# Altium PCB DIO-SMA.PCBDOC (part 2 of 2) (continued)
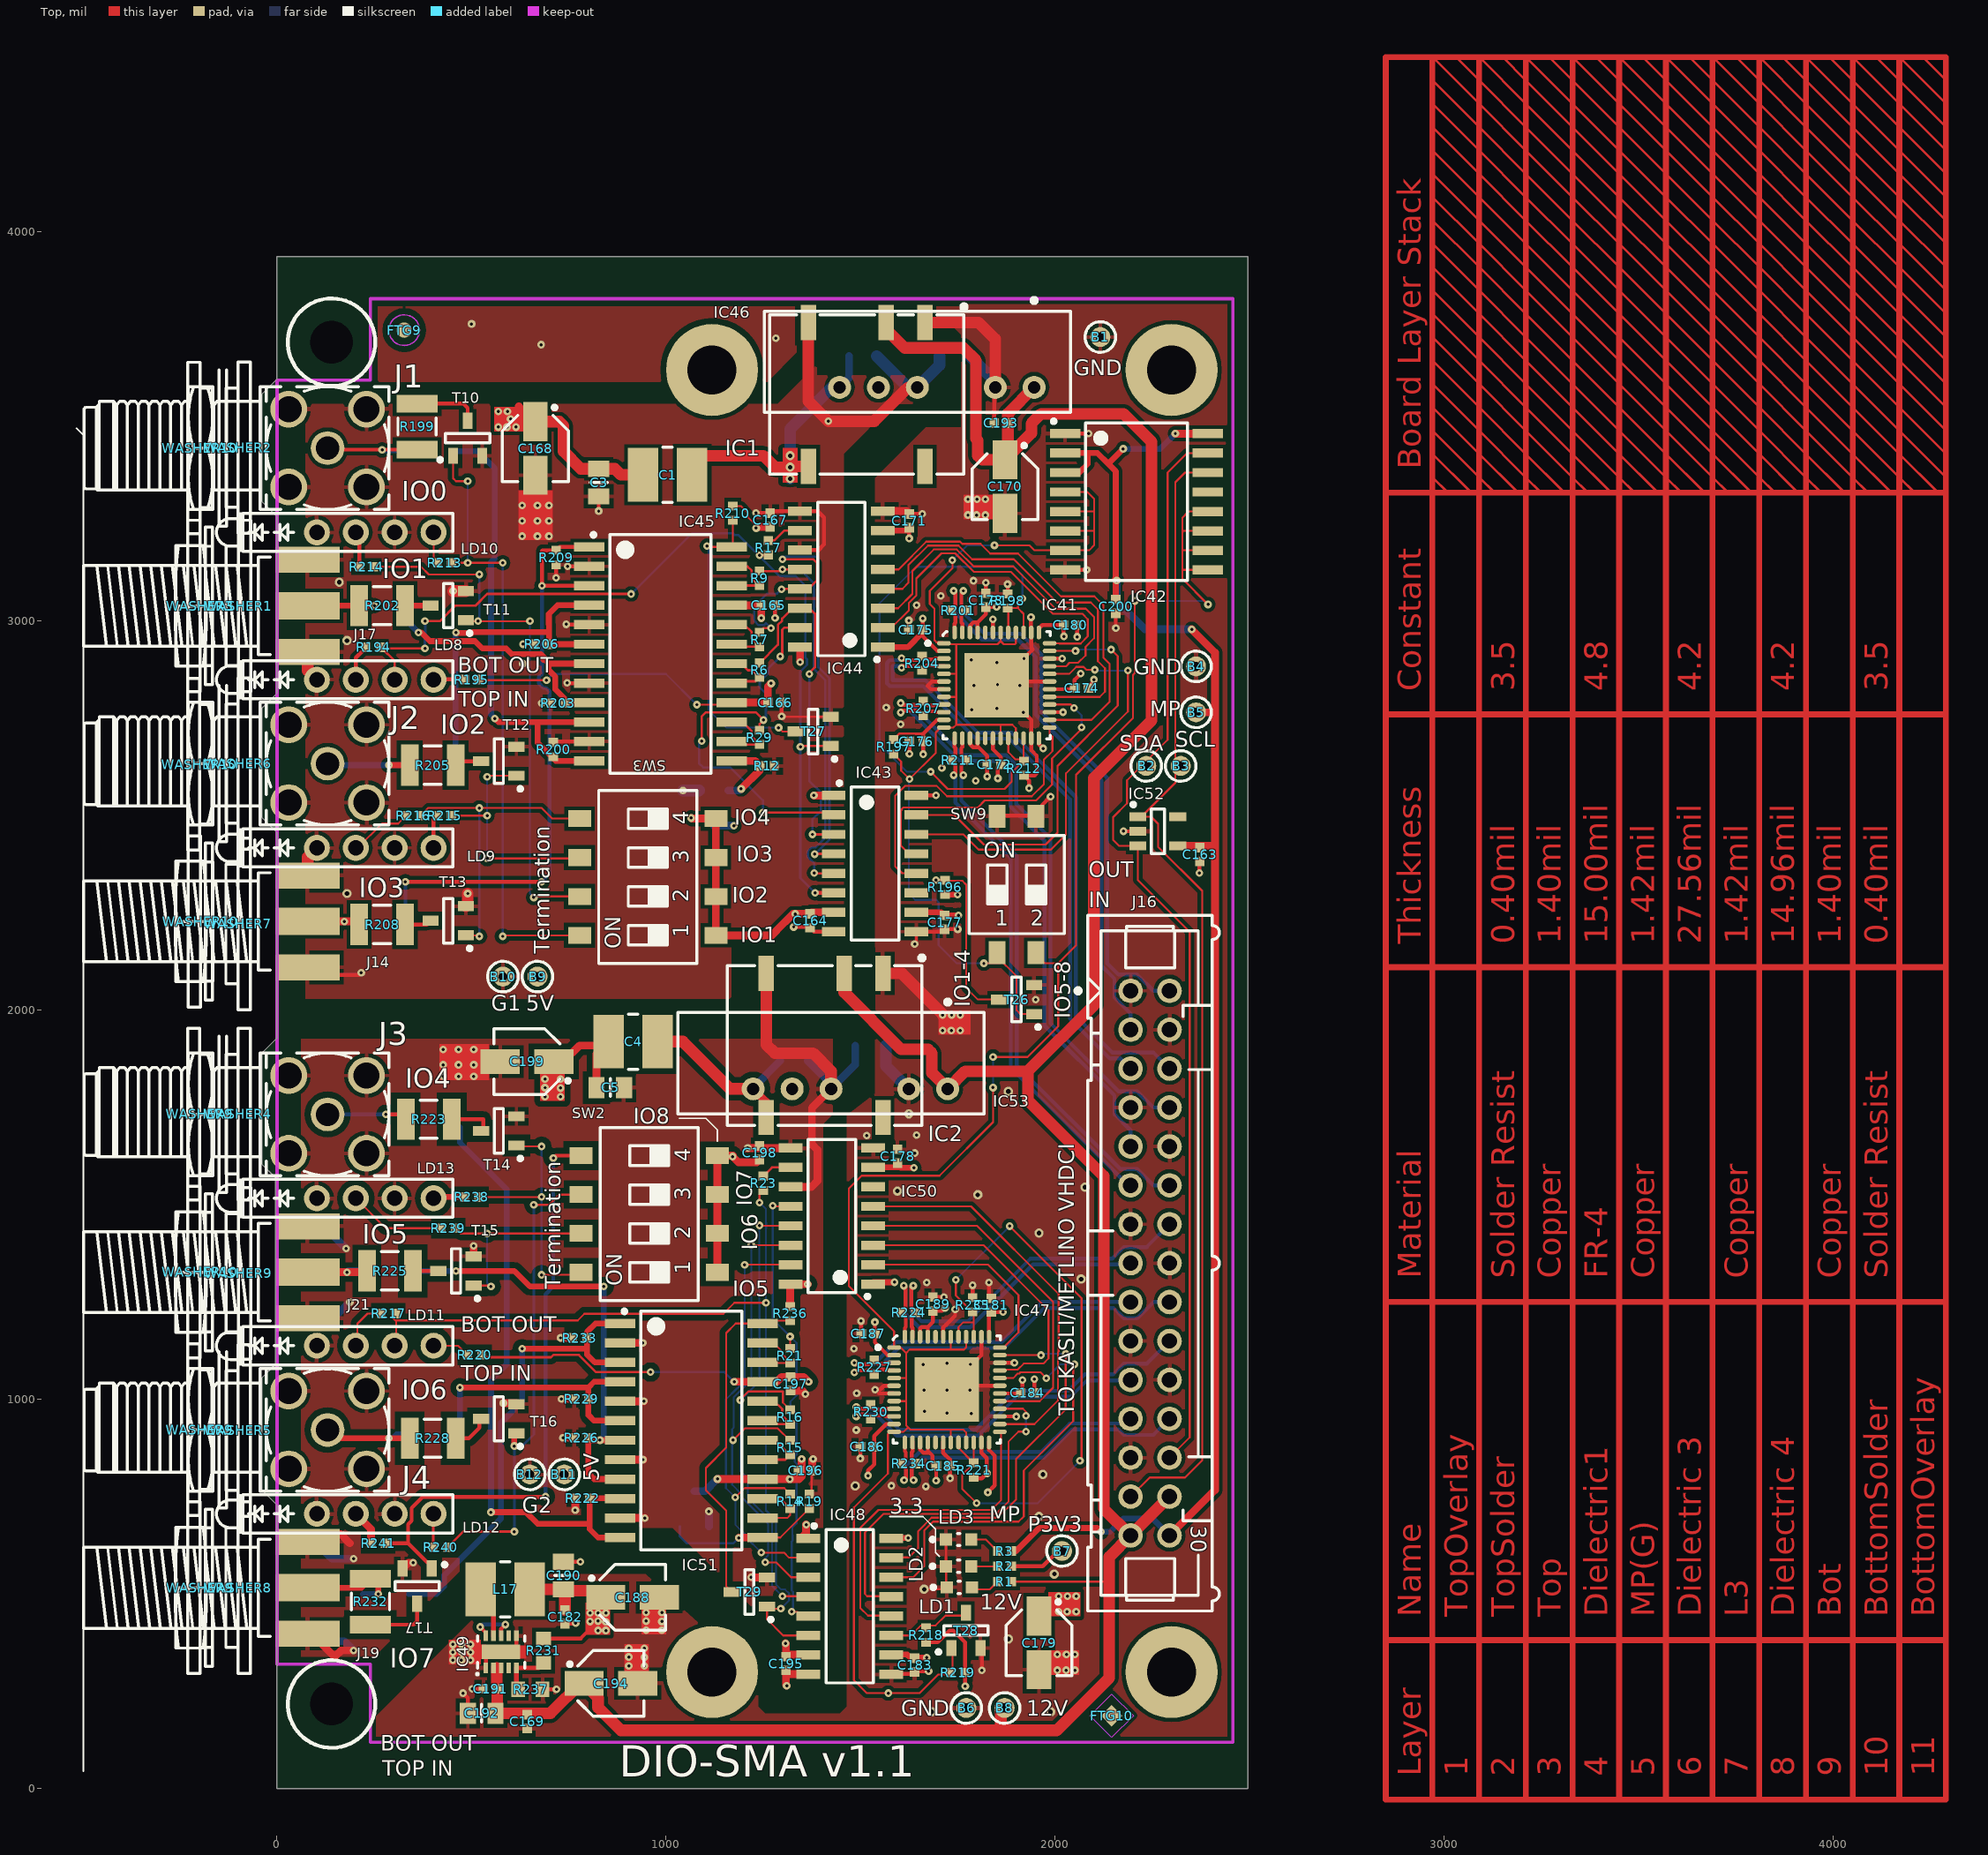
[diagram p0: Top view]
## Nets (pads, with @x,y where several pads share a name; then routed paths per layer and width w, separated by ;. In a path a pad name is that pad's centre, name@x,y a point inside that pad or via, vN(x,y) a via of type N, cw(c..) or ccw(c..) an arc to the next point about the centre after c; other vN are vias at no path point) (continued)
  Top w10: v1(522,415) 536.63,400.37 IC49.10@536.63,392.34 ; IC49.8@576,392.34 576,410 v1(587,421) ; R231.2@685,385.5 780.5,385.5 v1(825,430) ; v1(1519.16,804) 1519.16,816.84 1519,817 1534.72,832.72 C186.2@1534.72,878 1534.72,905.72 1565.42,936.42 IC47.11@1586.17,936.42 ; v1(1536.72,1198.72) C187.2@1536.72,1169 1536.72,1146.28 1569.42,1113.58 IC47.2@1586.17,1113.58 ; v1(1625,3212.88) C171.2@1625,3240.16 ; IC43.16@1643.3,2552 v1(1694,2552) ; IC47.15@1653.1,889.17 1653.1,870.9 1661,863 1677,863 ; IC47.46@1653.1,1160.83 1653.1,1182.1 1656.79,1185.79 1672.79,1185.79 ; C175.2@1659.72,2971.35 1659.72,2961.28 1697.42,2923.58 IC41.2@1714.17,2923.58 ; C175.2@1659.72,2978 v1(1659.72,3006.72) ; v1(1660.72,2658.28) C176.2@1660.72,2691 1660.72,2710.72 1696.42,2746.42 IC41.11@1714.17,2746.42 ; R218.2@1668,375.5 1698.17,375.5 1728.67,406 1738.01,406 1768.5,375.5 1768.5,263.5 v1(1769,263) ; IC47.16@1672.79,889.17 1672.79,867.21 1677,863 ; IC47.45@1672.79,1160.83 1672.79,1185.79 ; C185.2@1685,836 1685,855 1677,863 ; v1(1694.28,791.28) C185.2@1694.28,829 ; v1(1717,1235) 1709.28,1227.28 C189.2@1686,1227.28 1686,1199 1672.79,1185.79 ; IC41.15@1781.1,2699.17 1781.1,2683.9 1789,2676 1803,2676 ; IC41.46@1781.1,2970.83 1781.1,2988.1 1789.79,2996.79 1800.79,2996.79 ; IC41.16@1800.79,2699.17 1800.79,2678.21 1803,2676 ; IC41.45@1800.79,2970.83 1800.79,2996.79 ; v1(1825.28,2600.72) C172.2@1825.28,2632 1825.28,2653.72 1803,2676 ; v1(1827,761) 1844.84,778.84 1844.84,855.16 1830.27,869.73 IC47.24@1830.27,889.17 ; IC47.37@1830.27,1160.83 1830.27,1218.55 C181.2@1836,1224.28 v1@1860.28,1224.28 ; v1(1849.72,3036.28) C173.2@1822,3036.28 1822,3018 1800.79,2996.79 ; IC47.30@1857.83,1015.16 1909.44,1015.16 C184.2@1911.28,1017 1911,1017.28 1916,1022.28 v1(1916,1050) ; R2.1@1888.58,570.87 1968.5,570.87 B7.1@2007.87,610.24 ; IC41.24@1958.27,2699.17 1958.27,2683.73 v1(1969,2673) ; IC41.37@1958.27,2981 1967.27,2990 C180.2@2021.28,2990 2021.28,2962.72 v1(2023,2961) ; IC41.30@1985.83,2825.16 2047.44,2825.16 C174.2@2050.28,2828 2050.28,2849.28 v1(2066,2865)
  Top w15: IC50.1@1532.3,1301 v1(1587,1301) ; IC50.7@1532.3,1596 1602.28,1596 1603,1595.28 v1(1636.72,1595.28) ; IC44.1@1556.87,2933.15 1621.52,2933.15 1659.72,2971.35 C175.2@1659.72,2978 ; IC44.7@1556.87,3233.15 1617.99,3233.15 C171.2@1625,3240.16 ; IC48.10@1560.3,344 1619.72,344 1629,334.72 C183.2@1639,334.72 1640.28,336 v1(1670,336) ; IC48.16@1560.3,644 v1(1622,644) ; IC43.10@1643.3,2252 1707.72,2252 C177.2@1716,2243.72 v1(1751.72,2243.72) ; R196.2@1717,2297.5 v1(1749.5,2297.5)
  Top w30: L17.2@649.61,511.81 C190.2@736.22,511.81 C190.2@740.03,508 ; C190.2@730,508 C190.2@740.03,508 ; C182.2@740.16,458.66 740.16,507.87 C190.2@740.03,508 ; C188.1@825.1,508 C190.2@740.03,508
  Bot w10: v1(522,415) 528,421 v1(587,421)
  other v1: 825,406 845,406 845,428 805,429 805,451 825,451 845,451 2009,454 2031,454 2054,454 2009,494 2032,494 2054,494 1866,1224
P3V3_MP: B5.1 C163.2 C200.2 IC42.2 IC42.3 IC42.16 IC52.4 J16.30 R3.1 | length 4156.1
  Top w15: R3.1@1888.58,610.24 1899.61,610.24 1958.66,669.29 2108.16,669.29 v1(2118,659.45) ; IC42.3@2025.93,3382 2062,3382 2084,3404 2084,3432 ; IC42.2@2025.93,3432 2084,3432 ; C200.2@2156,3055.72 2156,3107 2156,3385 2136.5,3404.5 ; v1(2175,3443) 2136.5,3404.5 ; 2084,3432 2109,3432 2136.5,3404.5
  Top w20: v1@2156,3107 v1(2158,3105) ; J16.30@2294,650 2411,767 2411,2418 ; v1(2309,3482) IC42.16@2392.07,3482 ; IC52.4@2315.18,2422.6 2406.4,2422.6 2411,2418 ; v1(2351,2979) 2411,2919 2411,2765.75 ; B5.1@2362.2,2765.75 2411,2765.75 ; 2411,2418 2411,2765.75
  Bot w15: v1(2118,659.45) 2141.23,659.45 2175.78,694 2250.01,694 J16.30@2294,650 ; v1(2175,3443) 2270,3443 v1(2309,3482)
  Bot w20: v1(2158,3105) 2158,3052 2231,2979 v1(2351,2979)
P5V0_ISO1: B9.1 C1.1 C3.2 C164.2 C165.2 C166.2 C167.2 C168.1 IC3.3 IC43.1 IC43.7 IC44.16 IC45.16 IC45.21 R195.1 R210.2 SW3.1 SW3.2 SW3.3 SW3.4 | length 2297.1
  Top w5: R195.1@518.5,2850.39 520.47,2848.43 v1(692.91,2848.43) ; v1(1078.74,2785.43) 1163.18,2785.43 IC45.16@1168.59,2790.84 ; R210.2@1171.26,3296.06 1192.13,3296.06 1210.63,3277.56 1210.63,3266.66 v1@1234.86,3242.43
  Top w20: 621.26,3551.97 629.92,3543.31 ; v1(1064.57,2494.09) 1066.14,2492.52 SW3.4@1127.95,2492.52 SW3.3@1127.95,2392.52 SW3.2@1127.95,2292.52 SW3.1@1127.95,2192.52 1272.05,2192.52 1283.59,2204.06 1283.59,2204.72 1326.58,2247.72 v1(1332.28,2247.72) C164.2@1370,2247.72 1374.28,2252 IC43.7@1430.7,2252 ; IC45.16@1164.6,2790.84 IC45.16@1168.59,2790.84 C166.2@1261.81,2790.84 1261.81,2831.81 v1(1270,2840) ; IC45.21@1166.6,3040.84 IC45.21@1168.59,3040.84 C165.2@1244.81,3040.84 1244.53,3040.56 v1(1244.53,3007.84) ; v1@1234.86,3242.43 C167.2@1267.57,3242.43 ; v1(1344.28,2894.85) IC44.16@1344.28,2933.15 ; v1(1380,2552) IC43.1@1430.7,2552
  Top w30: C168.1@664.06,3512.69 725.09,3512.69 736.1,3501.68 736.1,3436.71 781.08,3391.73 C3.2@826.77,3391.73 868.27,3391.73 884.02,3375.98 C1.1@940.94,3375.98
  L3 w5: v1(692.91,2848.43) v1@692.91,2850.3
  Bot w5: v1(692.91,2848.43) 708.66,2864.17 1000,2864.17 v1(1078.74,2785.43)
  Bot w20: IC3.3@1122.05,2474.41 v1(1174.41,2474.41)
  other v1: 1231.57,3239.15 569.06,3498.79 591.06,3498.79 614.06,3498.79 600,3520 569.06,3538.79 592.06,3538.79
P5V0_ISO2: B11.1 C4.1 C5.2 C195.2 C196.2 C197.2 C198.2 C199.1 IC4.3 IC48.1 IC48.7 IC50.16 IC51.16 IC51.21 R220.1 R236.2 SW2.1 SW2.2 SW2.3 SW2.4 | length 2118.1
  Top w6: R220.1@526.38,1114.17 532.41,1108.14 704.24,1108.14 710.27,1114.17 775.83,1114.17 820,1070 v1(960,1070)
  Top w20: C199.1@711.36,1868 736.11,1868 777.56,1909.45 842.52,1909.45 820.87,1887.8 C5.2@820.87,1801.18 ; v1(1131.89,795.28) 1132.17,795 IC51.16@1248.07,795 v1(1318,795) ; SW2.1@1131.89,1326.38 SW2.4@1131.89,1626.38 v1@1168.9,1626.38 ; v1@1171.26,1626.38 v1@1168.9,1626.38 ; v1(1175,1045) IC51.21@1248.07,1045 1284.25,1045 1296.97,1057.72 C197.2@1320,1057.72 1353.7,1057.72 v1(1366.42,1045) ; C198.2@1240.16,1616.14 1233.3,1609.28 1185.99,1609.28 v1(1171.26,1624.02) v1@1168.9,1626.38 ; v1(1307,373) 1308,372 C195.2@1308,344 ; C195.2@1308,338.72 C195.2@1308,344 ; R236.2@1318.9,1238.98 1318.9,1295.2 IC50.16@1319.7,1296 v1(1364,1296) ; v1@1322,795 1342.28,795 1348.43,801.14 v1(1348.43,846.46) ; IC48.7@1347.7,344 C195.2@1308,344 ; IC48.1@1347.7,644 1360,656.3 v1(1360,678)
  Bot w6: v1(960,1070) 1150,1070 v1(1175,1045)
  Bot w20: IC4.3@1072.83,763.78 1100.39,763.78 v1(1131.89,795.28)
  other v1: 688.46,1778 728.46,1778 728.46,1800 688.46,1801 688.46,1823 728.46,1823
P12V0: B8.1 C169.2 C170.1 C191.2 C192.2 C193.2 C194.1 IC1.3 IC2.3 IC46.1 IC49.2 IC49.3 IC53.1 J16.28 J16.29 R1.2 | length 7705.9
  Top w6: R1.2@1888.58,531.5 1888.71,531.37 2129.03,531.37 2139,541.34
  Top w30: C192.2@555.43,193 C192.2@559.43,189 ; C191.2@565,257.28 565,310 ; C191.2@565.72,256 565.72,197.28 C192.2@561.43,193 703,193 784,274 825.1,232.9 825.1,207.9 884,149 1860.24,149 ; IC2.3@1457.48,2094.49 1457.48,2046.46 1604.33,1899.61 1673.23,1899.61 1683.07,1889.76 1683.07,1838.93 IC53.1@1724,1798 1769.1,1843.1 1930.1,1843.1 ; IC1.3@1565.75,3767.72 1565.75,3750.32 1613.62,3702.44 1764.25,3702.44 1796.47,3670.22 1796.47,3469.28 1801.18,3464.57 1801.18,3425.79 1812.07,3414.9 C170.1@1871,3414.9 C170.1@1878.72,3422.61 ; B8.1@1870.08,206.69 1860.24,196.85 1860.24,149 ; IC46.1@1946,3601 1878.72,3533.72 C193.2@1878.72,3509 C170.1@1878.72,3422.61 ; J16.28@2294,750 J16.29@2194,650 ; 1860.24,149 2004,149 2139,284 2139,541.34 2139,595 J16.29@2194,650 ; C170.1@1878.72,3422.61 1939,3482.9 1939,3508 1964,3533 2176,3533 2248,3461 2248,2745 2100,2597 2100,2013 1930.1,1843.1 ; 1930.1,1843.1 1930.1,1768.9 2125,1574 2125,719 J16.29@2194,650
TERM_IO0: R213.1 SW3.8 T10.1 | length 1597.9
  Top w5: R213.1@448.5,3150 v1(490,3150) v1(580,3150) ; T10.1@452.6,3424.72 452.6,3367.4 460,3360 v1(490,3360) ; v1(580,2190) 582.52,2192.52 SW3.8@777.56,2192.52
  Bot w5: v1(490,3150) v1(490,3360) ; v1(580,2190) v1(580,3150)
TERM_IO1: R214.1 SW3.7 T11.1 | length 1399.7
  Top w5: R214.1@248.5,3140 370,3140 390,3120 v1(520,3120) ; T11.1@485.28,3002.6 487.87,3000 v1(516.77,3000) v1(650,3000) ; v1(660,2290) 662.52,2292.52 SW3.7@777.56,2292.52
  Bot w5: v1(516.77,3000) 520,3003.23 v1(520,3120) ; v1(650,3000) 650,2300 v1(660,2290)
TERM_IO2: R215.1 SW3.6 T12.1 | length 616.5
  Top w5: R215.1@448.5,2500 v1(540,2500) ; v1(540,2390) 775.04,2390 SW3.6@777.56,2392.52 ; v1(540,2600) 542.6,2602.6 T12.1@615.28,2602.6
  Bot w5: v1(540,2390) v1(540,2500) v1(540,2600)
TERM_IO3: R216.1 SW3.5 T13.1 | length 794.5
  Top w5: R216.1@368.5,2500 388.5,2520 v1(520,2520) 680,2520 707.48,2492.52 SW3.5@777.56,2492.52 ; T13.1@485.28,2192.6 517.4,2192.6 v1(520,2190)
  Bot w5: v1(520,2190) v1(520,2520)
TERM_IO4: R238.1 SW2.8 T14.1 | length 661.4
  Top w5: R238.1@518.5,1520 v1(680,1520) ; T14.1@615.28,1652.6 617.87,1650 v1(680,1650) ; v1(680,1320) 775.12,1320 SW2.8@781.5,1326.38
  Bot w5: v1(680,1320) v1(680,1520) v1(680,1650)
TERM_IO5: R239.1 SW2.7 T15.1 | length 515
  Top w5: R239.1@458.5,1440 472.13,1426.38 v1(540,1426.38) SW2.7@781.5,1426.38 ; T15.1@505.28,1292.6 547.4,1292.6 v1(550,1290)
  Bot w5: v1(540,1426.38) 540,1300 v1(550,1290)
TERM_IO6: R240.1 SW2.6 T16.1 | length 1227.7
  Top w6: R240.1@438.5,620 478.5,660 v1(610,660) ; v1(660,1500) 700,1500 726.38,1526.38 SW2.6@781.5,1526.38
  Top w15: v1(610,880) 610,907.32 T16.1@615.28,912.6
  Bot w6: v1(610,660) v1(610,880) 630,880 660,910 v1(660,1500)
TERM_IO7: R241.1 SW2.5 T17.1 | length 1551.2
  Top w10: R241.1@278.5,630 336.77,630 ; T17.1@397.4,565.28 397.4,569.37 336.77,630 ; v1(690,750) 689.17,749.17 374.46,749.17 345.83,720.54 345.83,687.7 336.77,678.65 336.77,630 ; v1(710,1620) 716.38,1626.38 SW2.5@781.5,1626.38
  Bot w10: v1(690,750) 690,1270 710,1290 v1(710,1620)
pads on no net: FTG9.FTG2 FTG10.1 FTG11.1 FTG12.1 IC1.14 IC2.14 IC41.17 IC41.44 IC42.13 IC44.6 IC46.5 IC47.17 IC47.44 IC49.4 IC49.7 IC50.6 IC52.5 IC53.5
copper on no net: | length 103141.1
  Top w6: 2970,3370 3009.68,3330.32 ; 2970,3430 3069.68,3330.32 ; 2970,3490 3090,3370 3129.68,3330.32 ; 2970,3550 3090,3430 3189.68,3330.32 ; 2970,3610 3090,3490 3210,3370 3249.68,3330.32 ; 2970,3670 3090,3550 3210,3430 3309.68,3330.32 ; 2970,3730 3090,3610 3210,3490 3330,3370 3369.68,3330.32 ; 2970,3790 3090,3670 3210,3550 3330,3430 3429.68,3330.32 ; 2970,3850 3090,3730 3210,3610 3330,3490 3450,3370 3489.68,3330.32 ; 2970,3910 3090,3790 3210,3670 3330,3550 3450,3430 3549.68,3330.32 ; 2970,3970 3090,3850 3210,3730 3330,3610 3450,3490 3570,3370 3609.68,3330.32 ; 2970,4030 3090,3910 3210,3790 3330,3670 3450,3550 3570,3430 3669.68,3330.32 ; 2970,4090 3090,3970 3210,3850 3330,3730 3450,3610 3570,3490 3690,3370 3729.68,3330.32 ; 2970,4150 3090,4030 3210,3910 3330,3790 3450,3670 3570,3550 3690,3430 3789.68,3330.32 ; 2970,4210 3090,4090 3210,3970 3330,3850 3450,3730 3570,3610 3690,3490 3810,3370 3849.68,3330.32 ; 2970,4270 3090,4150 3210,4030 3330,3910 3450,3790 3570,3670 3690,3550 3810,3430 3909.68,3330.32 ; 2970,4330 3090,4210 3210,4090 3330,3970 3450,3850 3570,3730 3690,3610 3810,3490 3930,3370 3969.68,3330.32 ; 2970,4390 3090,4270 3210,4150 3330,4030 3450,3910 3570,3790 3690,3670 3810,3550 3930,3430 4029.68,3330.32 ; 2970,4450 3090,4330 3210,4210 3330,4090 3450,3970 3570,3850 3690,3730 3810,3610 3930,3490 4050,3370 4089.68,3330.32 ; 3030,4450 3090,4390 3210,4270 3330,4150 3450,4030 3570,3910 3690,3790 3810,3670 3930,3550 4050,3430 4149.68,3330.32 ; 3090,4450 3210,4330 3330,4210 3450,4090 3570,3970 3690,3850 3810,3730 3930,3610 4050,3490 4170,3370 4209.68,3330.32 ; 3150,4450 3210,4390 3330,4270 3450,4150 3570,4030 3690,3910 3810,3790 3930,3670 4050,3550 4170,3430 4269.68,3330.32 ; 3210,4450 3330,4330 3450,4210 3570,4090 3690,3970 3810,3850 3930,3730 4050,3610 4170,3490 4290,3370 ; 3270,4450 3330,4390 3450,4270 3570,4150 3690,4030 3810,3910 3930,3790 4050,3670 4170,3550 4290,3430 ; 3330,4450 3450,4330 3570,4210 3690,4090 3810,3970 3930,3850 4050,3730 4170,3610 4290,3490 ; 3390,4450 3450,4390 3570,4270 3690,4150 3810,4030 3930,3910 4050,3790 4170,3670 4290,3550 ; 3450,4450 3570,4330 3690,4210 3810,4090 3930,3970 4050,3850 4170,3730 4290,3610 ; 3510,4450 3570,4390 3690,4270 3810,4150 3930,4030 4050,3910 4170,3790 4290,3670 ; 3570,4450 3690,4330 3810,4210 3930,4090 4050,3970 4170,3850 4290,3730 ; 3630,4450 3690,4390 3810,4270 3930,4150 4050,4030 4170,3910 4290,3790 ; 3690,4450 3810,4330 3930,4210 4050,4090 4170,3970 4290,3850 ; 3750,4450 3810,4390 3930,4270 4050,4150 4170,4030 4290,3910 ; 3810,4450 3930,4330 4050,4210 4170,4090 4290,3970 ; 3870,4450 3930,4390 4050,4270 4170,4150 4290,4030 ; 3930,4450 4050,4330 4170,4210 4290,4090 ; 3990,4450 4050,4390 4170,4270 4290,4150 ; 4050,4450 4170,4330 4290,4210 ; 4110,4450 4170,4390 4290,4270 ; 4170,4450 4290,4330 ; 4230,4450 4290,4390
  Top w15: 2850,381.09 4290,381.09 ; 2850,1250.85 4290,1250.85 ; 2850,2110.62 4290,2110.62 ; 2850,2760.46 4290,2760.46 ; 2850,3330.32 4290,3330.32 ; 2970,-28.82 2970,4450 ; 3090,-28.82 3090,381.09 3090,1250.85 3090,2110.62 3090,2760.46 3090,3330.32 3090,4450 ; 3210,-28.82 3210,381.09 3210,1250.85 3210,2110.62 3210,2760.46 3210,3330.32 3210,4450 ; 3330,-28.82 3330,381.09 3330,1250.85 3330,2110.62 3330,2760.46 3330,3330.32 3330,4450 ; 3450,-28.82 3450,381.09 3450,1250.85 3450,2110.62 3450,2760.46 3450,3330.32 3450,4450 ; 3570,-28.82 3570,381.09 3570,1250.85 3570,2110.62 3570,2760.46 3570,3330.32 3570,4450 ; 3690,-28.82 3690,381.09 3690,1250.85 3690,2110.62 3690,2760.46 3690,3330.32 3690,4450 ; 3810,-28.82 3810,381.09 3810,1250.85 3810,2110.62 3810,2760.46 3810,3330.32 3810,4450 ; 3930,-28.82 3930,381.09 3930,1250.85 3930,2110.62 3930,2760.46 3930,3330.32 3930,4450 ; 4050,-28.82 4050,381.09 4050,1250.85 4050,2110.62 4050,2760.46 4050,3330.32 4050,4450 ; 4170,-28.82 4170,381.09 4170,1250.85 4170,2110.62 4170,2760.46 4170,3330.32 4170,4450 ; 4290,381.09 4290,1250.85 ; 4290,381.09 4290,-28.82 2850,-28.82 2850,4450 4290,4450 4290,3330.32 ; 4290,1250.85 4290,2110.62 ; 4290,2110.62 4290,2760.46 ; 4290,2760.46 4290,3330.32

## Polygon pours and split planes (outlines as drawn)
GND on Top "TopLayer-No Net" (solid, remove dead copper, pour order 26): 1407,3762 1260,3615 245,3615 245,3815 1793,3815 1793,3717 1758,3717 1758,3736 1732,3762
GND on Top "MidLayer1-No Net" (solid, remove dead copper, pour order 14): 1537,1987 1537,3367.71 1667.29,3498 1758,3498 1758,3818 2456.69,3818 2456.69,119 240,119 240,171.1 676.9,608 688.98,608 695.88,551.18 947.2,551.18 1237,281.96 1237,210 1255,192 1447,192 1465,210 1465,1730 1537,1785.99
GND_ISO2 on Top "MidLayer1-No Net" (solid, remove dead copper, pour order 10): 61.8,1926.23 1428.52,1926.23 1428.52,1731.95 1403.8,1707.23 1403.8,254.23 1295.8,254.23 1295.8,391.23 1016.8,670.23 581.65,670.23 187.01,275.59 61.8,275.59
GND_ISO1 on Top "TopLayer-No Net" (solid, remove dead copper, pour order 18): 291,3558 1287,3558 1431,3702 1698,3702 1698,3558 1584,3558 1456.69,3430.69 1456.69,2029 73,2029 73,3340 73,3558
P5V0_ISO2 on L3 "L3-No Net" (solid, remove dead copper, pour order 36): 1456.69,1929.13 1456.69,1751.97 1427.17,1722.44 1397.64,1692.91 1397.64,1604.33 1397.64,255.91 1299.21,255.91 1299.21,383.86 1250,433.07 1013.78,669.29 748.03,669.29 561.02,669.29 423.23,531.5 157.48,265.75 0,265.75 0,728.35 -39.37,767.72 -43.31,767.72 -43.31,1049.21 -39.37,1053.15 -3.74,1088.78 -3.74,1092.52 -3.74,1568.7 -29.53,1594.49 -43.31,1608.27 -43.31,1889.76 -39.37,1889.76 0,1929.13 1456.69,1929.13
P5V0_ISO1 on L3 "L3-No Net" (solid, remove dead copper, pour order 34): 1446.85,3425.2 1446.85,2027.56 669.29,2027.56 0,2027.56 -3.74,2031.3 -3.74,2391.73 -3.74,2464.37 -39.37,2500 -39.37,2775.59 -39.37,2785.43 0,2824.8 0,3267.72 0,3268.7 -43.31,3312.01 -43.31,3582.68 -39.37,3582.68 0,3622.05 177.17,3622.05 216.54,3622.05 255.91,3582.68 275.59,3562.99 413.39,3562.99 570.87,3562.99 669.29,3464.57 697.53,3436.33 856.3,3436.33 1202.08,3436.33 1289.37,3523.62 1466.54,3700.79 1515.75,3700.79 1692.91,3700.79 1692.91,3553.15 1574.8,3553.15
P3V3 on L3 "L3-No Net" (solid, remove dead copper, pour order 28): 3.09,3643.88 604.42,3643.88 706.78,3541.52 746.15,3502.15 1066.08,3502.15 1144.82,3502.15 1381.04,3738.37 1400.73,3758.06 1636.95,3758.06 1735.37,3758.06 1755.06,3738.37 1755.06,3600.58 1755.06,3521.84 1735.37,3502.15 1676.32,3502.15 1617.26,3502.15 1577.89,3462.78 1538.52,3423.41 1538.52,3364.36 1538.52,1750.18 1499.15,1710.81 1479.47,1691.13 1479.47,1592.7 1479.47,214.75 1459.78,195.07 1420.41,195.07 1282.62,195.07 1262.93,214.75 1223.56,254.12 1223.56,273.81 1223.56,391.92 1125.14,490.34 1007.03,608.45 888.92,608.45 605.45,608.45 566.08,569.08 192.07,195.07 3.09,195.07 3.09,-1.78 2503.09,-1.78 2503.09,3935.22 3.09,3935.22
GND_ISO2 on Bot "MidLayer1-No Net" (solid, remove dead copper, pour order 38): 86.72,1927.94 1453.45,1927.94 1453.45,1733.66 1428.72,1708.94 1428.72,255.94 1320.72,255.94 1320.72,392.94 1041.72,671.94 606.57,671.94 211.93,277.3 86.72,277.3
GND_ISO1 on Bot "TopLayer-No Net" (solid, remove dead copper, pour order 40): 315.92,3559.71 1311.92,3559.71 1455.92,3703.71 1722.92,3703.71 1722.92,3559.71 1608.92,3559.71 1476.38,3427.16 1476.38,2030.71 97.92,2030.71 97.92,3341.71 97.92,3559.71
GND on Bot "MidLayer1-No Net" (solid, remove dead copper, pour order 42): 1561.92,1988.71 1561.92,3427.71 1633.92,3499.71 1782.92,3499.71 1782.92,3819.71 2481.62,3819.71 2481.62,120.71 264.92,120.71 264.92,172.81 701.82,609.71 713.9,609.71 720.81,552.89 972.12,552.89 1261.92,283.67 1261.92,211.71 1279.92,193.71 1471.92,193.71 1489.92,211.71 1489.92,1731.71 1561.92,1787.7
no net on Bot "TopLayer-No Net" (solid, remove dead copper, pour order 44): 1431.92,3763.71 1284.92,3616.71 269.92,3616.71 269.92,3816.71 1817.92,3816.71 1817.92,3718.71 1782.92,3718.71 1782.92,3737.71 1756.92,3763.71
GND_ISO1 on MP(G) (split plane): 1698.38,3557.62 1628.4,3557.62 1628.39,3557.62 1623.76,3557.25 1619.24,3556.17 1617.98,3555.65 1614.95,3554.39 1610.98,3551.96 1607.45,3548.94 1425.91,3367.4 1422.89,3363.87 1420.46,3359.9 1419.2,3356.87 1418.68,3355.61 1417.6,3351.09 1417.23,3346.46 1417.23,2826.99 1417.6,2822.36 1418.68,2817.84 1419.2,2816.58 1420.46,2813.55 1422.89,2809.58 1425.91,2806.05 1477.38,2754.57 1477.38,2028.62 20.1,2028.62 20.1,2456.69 19.71,2460.61 18.57,2464.38 16.71,2467.86 14.21,2470.9 -19.27,2504.39 -19.27,2767.27 14.21,2800.75 16.71,2803.8 18.57,2807.27 19.71,2811.04 20.1,2814.96 20.1,3268.7 19.71,3272.62 18.57,3276.39 16.71,3279.87 14.21,3282.91 -19.27,3316.4 -19.27,3574.35 14.21,3607.84 16.71,3610.88 18.57,3614.36 19.08,3616.05 589.06,3616.05 731.06,3474.06 734.59,3471.04 736.1,3470.12 738.55,3468.61 741.59,3467.35 742.85,3466.83 743.72,3466.62 747.37,3465.75 752,3465.38 1182,3465.38 1186.63,3465.75 1191.15,3466.83 1192.41,3467.35 1195.45,3468.61 1199.41,3471.04 1202.94,3474.06 1431.27,3702.38 1698.38,3702.38
GND on MP(G) (split plane): 2475.97,20.1 20.1,20.1 20.1,206.6 196.85,206.6 201.48,206.97 206,208.05 207.26,208.57 210.3,209.83 214.26,212.26 217.79,215.28 493.38,490.87 496.4,494.4 498.83,498.36 499.72,500.51 500.61,502.66 501.69,507.18 502.06,511.81 502.06,519.23 591.21,608.38 993.73,608.38 1237.38,364.73 1237.38,222 1237.75,217.37 1238.83,212.85 1240.61,208.55 1243.04,204.59 1246.06,201.06 1249.59,198.04 1253.55,195.61 1257.85,193.83 1262.37,192.75 1267,192.38 1435,192.38 1439.63,192.75 1444.15,193.83 1448.45,195.61 1452.41,198.04 1455.94,201.06 1458.96,204.59 1461.39,208.55 1463.17,212.85 1464.25,217.37 1464.62,222 1464.62,714.08 1464.62,1324.31 1464.62,1681.73 1507.16,1724.28 1510.18,1727.81 1512.61,1731.77 1513.5,1733.92 1514.39,1736.07 1515.47,1740.59 1515.84,1745.22 1515.84,1954 1515.47,1958.63 1514.39,1963.15 1512.61,1967.45 1511.22,1969.71 1511.63,1969.75 1516.15,1970.83 1520.45,1972.61 1524.41,1975.04 1527.94,1978.06 1530.96,1981.59 1533.39,1985.55 1535.17,1989.85 1536.25,1994.37 1536.62,1999 1536.62,2766.84 1536.25,2771.48 1535.38,2775.12 1535.17,2776 1534.65,2777.25 1533.39,2780.29 1531.88,2782.75 1530.96,2784.25 1527.94,2787.79 1476.47,2839.26 1476.47,3334.19 1640.66,3498.38 1728,3498.38 1732.63,3498.75 1737.15,3499.83 1741.45,3501.61 1745.41,3504.04 1748.94,3507.06 1751.96,3510.59 1754.39,3514.55 1756.17,3518.85 1757.25,3523.37 1757.62,3528 1757.62,3724 1757.25,3728.63 1756.17,3733.15 1754.39,3737.45 1751.96,3741.41 1748.94,3744.94 1745.41,3747.96 1744.51,3748.51 1743.96,3749.41 1740.94,3752.94 1737.41,3755.96 1733.45,3758.39 1729.15,3760.17 1724.63,3761.25 1720,3761.62 1419,3761.62 1414.37,3761.25 1409.85,3760.17 1407.7,3759.28 1405.55,3758.39 1401.59,3755.96 1398.06,3752.94 1169.73,3524.62 764.27,3524.62 622.27,3666.61 618.74,3669.63 614.78,3672.06 611.74,3673.32 610.48,3673.84 605.96,3674.92 601.33,3675.29 20.1,3675.29 20.1,3916.9 2475.97,3916.9
GND_ISO2 on MP(G) (split plane): 1456.6,1757.49 1414.06,1714.94 1411.04,1711.41 1408.61,1707.45 1407.35,1704.41 1406.83,1703.15 1405.75,1698.63 1405.38,1694 1405.38,1324.31 1405.38,714.08 1405.38,251.62 1296.62,251.62 1296.62,377 1296.25,381.63 1295.17,386.15 1293.39,390.45 1290.96,394.41 1287.94,397.94 1026.94,658.94 1023.41,661.96 1019.45,664.39 1016.41,665.65 1015.15,666.17 1010.63,667.25 1006,667.62 578.95,667.62 578.94,667.62 574.31,667.25 569.79,666.17 568.53,665.65 565.5,664.39 561.54,661.96 558,658.94 451.5,552.44 448.48,548.91 446.05,544.94 444.79,541.91 444.27,540.65 443.19,536.13 442.82,531.5 442.82,531.49 442.82,524.08 184.58,265.84 20.1,265.84 20.1,728.35 19.71,732.27 18.57,736.04 16.71,739.51 14.21,742.56 -19.27,776.04 -19.27,1046.79 10.47,1076.54 12.97,1079.58 14.83,1083.06 15.97,1086.83 16.36,1090.75 16.36,1569.48 15.97,1573.4 14.83,1577.17 12.97,1580.64 10.47,1583.69 -19.27,1613.43 -19.27,1881.44 14.21,1914.92 16.71,1917.97 18.57,1921.44 19.46,1924.38 1456.6,1924.38

## Keep-outs
KeepOutLayer:
  lines w8: 0,319 0,3619 240,3619 240,3828.74 2456.69,3828.74 2456.69,119 240,119 240,319 0,319

## Other copper
Top:
  region net GND_ISO1: 708.66,3208.66 708.66,3336.61 620.08,3336.61 620.08,3208.66
  rectangle net GND_ISO2: 417.08,1820.43 545.03,1913
  region net GND: 937,479 937,396 1000,396 1000,479
  region net GND: 956,288 956,371 893,371 893,288
  region net P3V3: 793,478 793,395 856,395 856,478
  rectangle net P3V3: 1982,442 2065,505
  rectangle net GND: 1979,292 2062,355
  region net GND: 1783,2000 1700,2000 1700,1937 1783,1937
  region net GND: 1848,3325 1765,3325 1765,3262 1848,3262
  region net P5V0_ISO1: 641.06,3550.79 558.06,3550.79 558.06,3487.79 641.06,3487.79
  region net P5V0_ISO2: 676.46,1850 676.46,1767 739.46,1767 739.46,1850
  rectangle net GND: 496,332 536,370
  region net GND: 524,382 441,382 441,319 524,319
  rectangle net GND: 603,334 641,368
  rectangle net NetC1_2: 1299.21,3356.3 1338.58,3444.88
  pour cut-out: 1167.32,2031.5 1167.32,2171.26 1200.79,2204.72 1203.51,2202 1497.14,2202 1538.52,2160.61 1538.52,1981.68 1495.82,1938.98 1181.1,1938.98 1181.1,2017.72
  pour cut-out: 1712.6,3631.89 1387.8,3631.89 1387.8,3710.63 1712.6,3710.63
  text "Board Layer Stack" at 2940,3390.32 h60 r90
  text "Constant" at 2940,2820.46 h60 r90
  text "3.5" at 3180,2820.46 h60 r90
  text "4.8" at 3420,2820.46 h60 r90
  text "4.2" at 3660,2820.46 h60 r90
  text "4.2" at 3900,2820.46 h60 r90
  text "3.5" at 4140,2820.46 h60 r90
  text "Thickness" at 2940,2170.62 h60 r90
  text "0.40mil" at 3180,2170.62 h60 r90
  text "1.40mil" at 3300,2170.62 h60 r90
  text "15.00mil" at 3420,2170.62 h60 r90
  text "1.42mil" at 3540,2170.62 h60 r90
  text "27.56mil" at 3660,2170.62 h60 r90
  text "1.42mil" at 3780,2170.62 h60 r90
  text "14.96mil" at 3900,2170.62 h60 r90
  text "1.40mil" at 4020,2170.62 h60 r90
  text "0.40mil" at 4140,2170.62 h60 r90
  text "Material" at 2940,1310.85 h60 r90
  text "Solder Resist" at 3180,1310.85 h60 r90
  text "Copper" at 3300,1310.85 h60 r90
  text "FR-4" at 3420,1310.85 h60 r90
  text "Copper" at 3540,1310.85 h60 r90
  text "Copper" at 3780,1310.85 h60 r90
  text "Copper" at 4020,1310.85 h60 r90
  text "Solder Resist" at 4140,1310.85 h60 r90
  text "Name" at 2940,441.09 h60 r90
  text "TopOverlay" at 3060,441.09 h60 r90
  text "TopSolder" at 3180,441.09 h60 r90
  text "Top" at 3300,441.09 h60 r90
  text "Dielectric1" at 3420,441.09 h60 r90
  text "MP(G)" at 3540,441.09 h60 r90
  text "Dielectric 3" at 3660,441.09 h60 r90
  text "L3" at 3780,441.09 h60 r90
  text "Dielectric 4" at 3900,441.09 h60 r90
  text "Bot" at 4020,441.09 h60 r90
  text "BottomSolder" at 4140,441.09 h60 r90
  text "BottomOverlay" at 4260,441.09 h60 r90
  text "Layer" at 2940,31.18 h60 r90
  text "1" at 3060,31.18 h60 r90
  text "2" at 3180,31.18 h60 r90
  text "3" at 3300,31.18 h60 r90
  text "4" at 3420,31.18 h60 r90
  text "5" at 3540,31.18 h60 r90
  text "6" at 3660,31.18 h60 r90
  text "7" at 3780,31.18 h60 r90
  text "8" at 3900,31.18 h60 r90
  text "9" at 4020,31.18 h60 r90
  text "10" at 4140,31.18 h60 r90
  text "11" at 4260,31.18 h60 r90
Bot:
  rectangle net NetC1_2: 1299.21,3356.3 1338.58,3444.88
MP(G) (plane layer: these items are gaps in the copper):
  lines w59.06: -11.81,236.22 196.85,236.22 472.44,511.81 472.44,531.5 578.94,638 1006,638 1267,377 1267,222 1435,222 1435,714.08 1435,1324.31 1435,1694 1486.22,1745.22 1486.22,1954 -11.81,1954 ; -11.81,1999 434,1999 1507,1999 1507,2766.84 1446.85,2826.99 1446.85,3346.46 1628.39,3528 1728,3528 1728,3724 ; -11.81,3645.67 601.33,3645.67 752,3495 1182,3495 1419,3732 1720,3732

## Silkscreen, mask and mechanical layers (free items; w line width, h text height)
TopOverlay:
  circle w10: c140,3717 r112.5
  circle w10: c140,217 r112.5
  lines w3.94: -515.75,3496.06 -497.68,3477.99 -497.68,43.66 ; 1033.46,1722.44 1102.36,1722.44 1131.89,1692.91 1131.89,1663.39 ; 1574.8,698.82 1660.18,698.82 1692.91,666.09 1692.91,606.3 1702.76,596.46
  text "GND" at 2047.24,3631.89 h39.37
  text "IO0" at 320,3310 h50
  text "IO1" at 270,3110 h50
  text "BOT OUT" at 464.17,2868.11 h40
  text "GND" at 2202.17,2863.65 h39.37
  text "TOP IN" at 465,2780 h40
  text "MP" at 2244.09,2755.91 h39.37
  text "IO2" at 420,2710 h50
  text "SCL" at 2309,2677.17 h39.37
  text "SDA" at 2165.35,2667.32 h39.37
  text "IO4" at 1176,2476 h40
  text "IO3" at 1181,2382 h40
  text "OUT" at 2086.61,2342.52 h40
  text "IO3" at 210,2290 h50
  text "IO2" at 1170,2277 h40
  text "IN" at 2086.61,2263.78 h40
  text "IO1" at 1190.94,2175.2 h40
  text "Termination" at 700.79,2145.67 h40 r90
  text "IO1-4" at 1781.5,2007.87 h40 r90
  text "G1" at 551.18,1999 h39.37
  text "5V" at 639.76,1999 h39.37
  text "IO5-8" at 2038.13,1978.66 h40 r90
  text "IO4" at 330,1800 h50
  text "IO8" at 915.35,1708.66 h40
  text "IO7" at 1220.47,1496.06 h40 r90
  text "IO5" at 220,1400 h50
  text "IO6" at 1235,1383 h40 r90
  text "Termination" at 728.35,1283.46 h40 r90
  text "IO5" at 1171,1265 h40
  text "BOT OUT" at 472.44,1173.23 h40
  text "TOP IN" at 472.44,1047.24 h40
  text "IO6" at 320,1000 h50
  text "TO KASLI/METLINO VHDCI" at 2049,958 h40 r90
  text "5V" at 827.56,789.13 h39.37 r90
  text "G2" at 629.92,708.66 h39.37
  text "3.3" at 1574.8,705.66 h39.37
  text "MP" at 1830.71,685.66 h39.37
  text "P3V3" at 1929.13,659.45 h39.37
  text "12V" at 1807.68,459.51 h39.37
  text "IO7" at 290,310 h50
  text "GND" at 1604.33,187.01 h39.37
  text "12V" at 1926,187 h39.37
  text "BOT OUT" at 266,97 h40
  text "TOP IN" at 271,32 h40
  text "DIO-SMA v1.1" at 880,30 h80
BottomOverlay:
  text "DIO-SMA v1.1" at 1750,30 h80
Mechanical1:
  the board outline again, w3.94
Mechanical4:
  lines w1.97: -100.16,-560.56 -100.16,4066.69
Mechanical13:
  lines w6: -198.58,-560.56 -198.58,4660.42 ; -100.16,-560.56 -100.16,4579.84

## Text inside footprints (layer, text, board x,y; h text height)
IC46: Mechanical14 "1" at 1916.47,3680.92 h59.06 r270; Mechanical14 "6" at 1415.17,3685.92 h59.06 r270
IC53: Mechanical14 "1" at 1694.47,1877.92 h59.06 r270; Mechanical14 "6" at 1193.17,1882.92 h59.06 r270
J16: TopOverlay "30" at 2349,675 h40 r270; Mechanical14 "30" at 2349,675 h40 r270
SW2: TopOverlay "1" at 1061.69,1321.38 h39.37 r90; TopOverlay "2" at 1061.69,1411.38 h39.37 r90; TopOverlay "ON" at 886.69,1291.38 h39.37 r90; TopOverlay "3" at 1061.69,1511.38 h39.37 r90; TopOverlay "4" at 1061.69,1611.38 h39.37 r90; Mechanical14 "1" at 1061.69,1321.38 h39.37 r90; Mechanical14 "2" at 1061.69,1411.38 h39.37 r90; Mechanical14 "ON" at 886.69,1291.38 h39.37 r90; Mechanical14 "3" at 1061.69,1511.38 h39.37 r90; Mechanical14 "4" at 1061.69,1611.38 h39.37 r90
SW3: TopOverlay "1" at 1057.76,2187.52 h39.37 r90; TopOverlay "2" at 1057.76,2277.52 h39.37 r90; TopOverlay "ON" at 882.76,2157.52 h39.37 r90; TopOverlay "3" at 1057.76,2377.52 h39.37 r90; TopOverlay "4" at 1057.76,2477.52 h39.37 r90; Mechanical14 "1" at 1057.76,2187.52 h39.37 r90; Mechanical14 "2" at 1057.76,2277.52 h39.37 r90; Mechanical14 "ON" at 882.76,2157.52 h39.37 r90; Mechanical14 "3" at 1057.76,2377.52 h39.37 r90; Mechanical14 "4" at 1057.76,2477.52 h39.37 r90
SW9: TopOverlay "1" at 1846,2217.83 h39.37; TopOverlay "2" at 1936,2217.83 h39.37; TopOverlay "ON" at 1816,2392.83 h39.37; Mechanical14 "1" at 1846,2217.83 h39.37; Mechanical14 "2" at 1936,2217.83 h39.37; Mechanical14 "ON" at 1816,2392.83 h39.37